# KiCad board meshtastic.kicad_pcb
date: 2026-05-14; note: JLCPCB Stackup: JLC04161H-7628
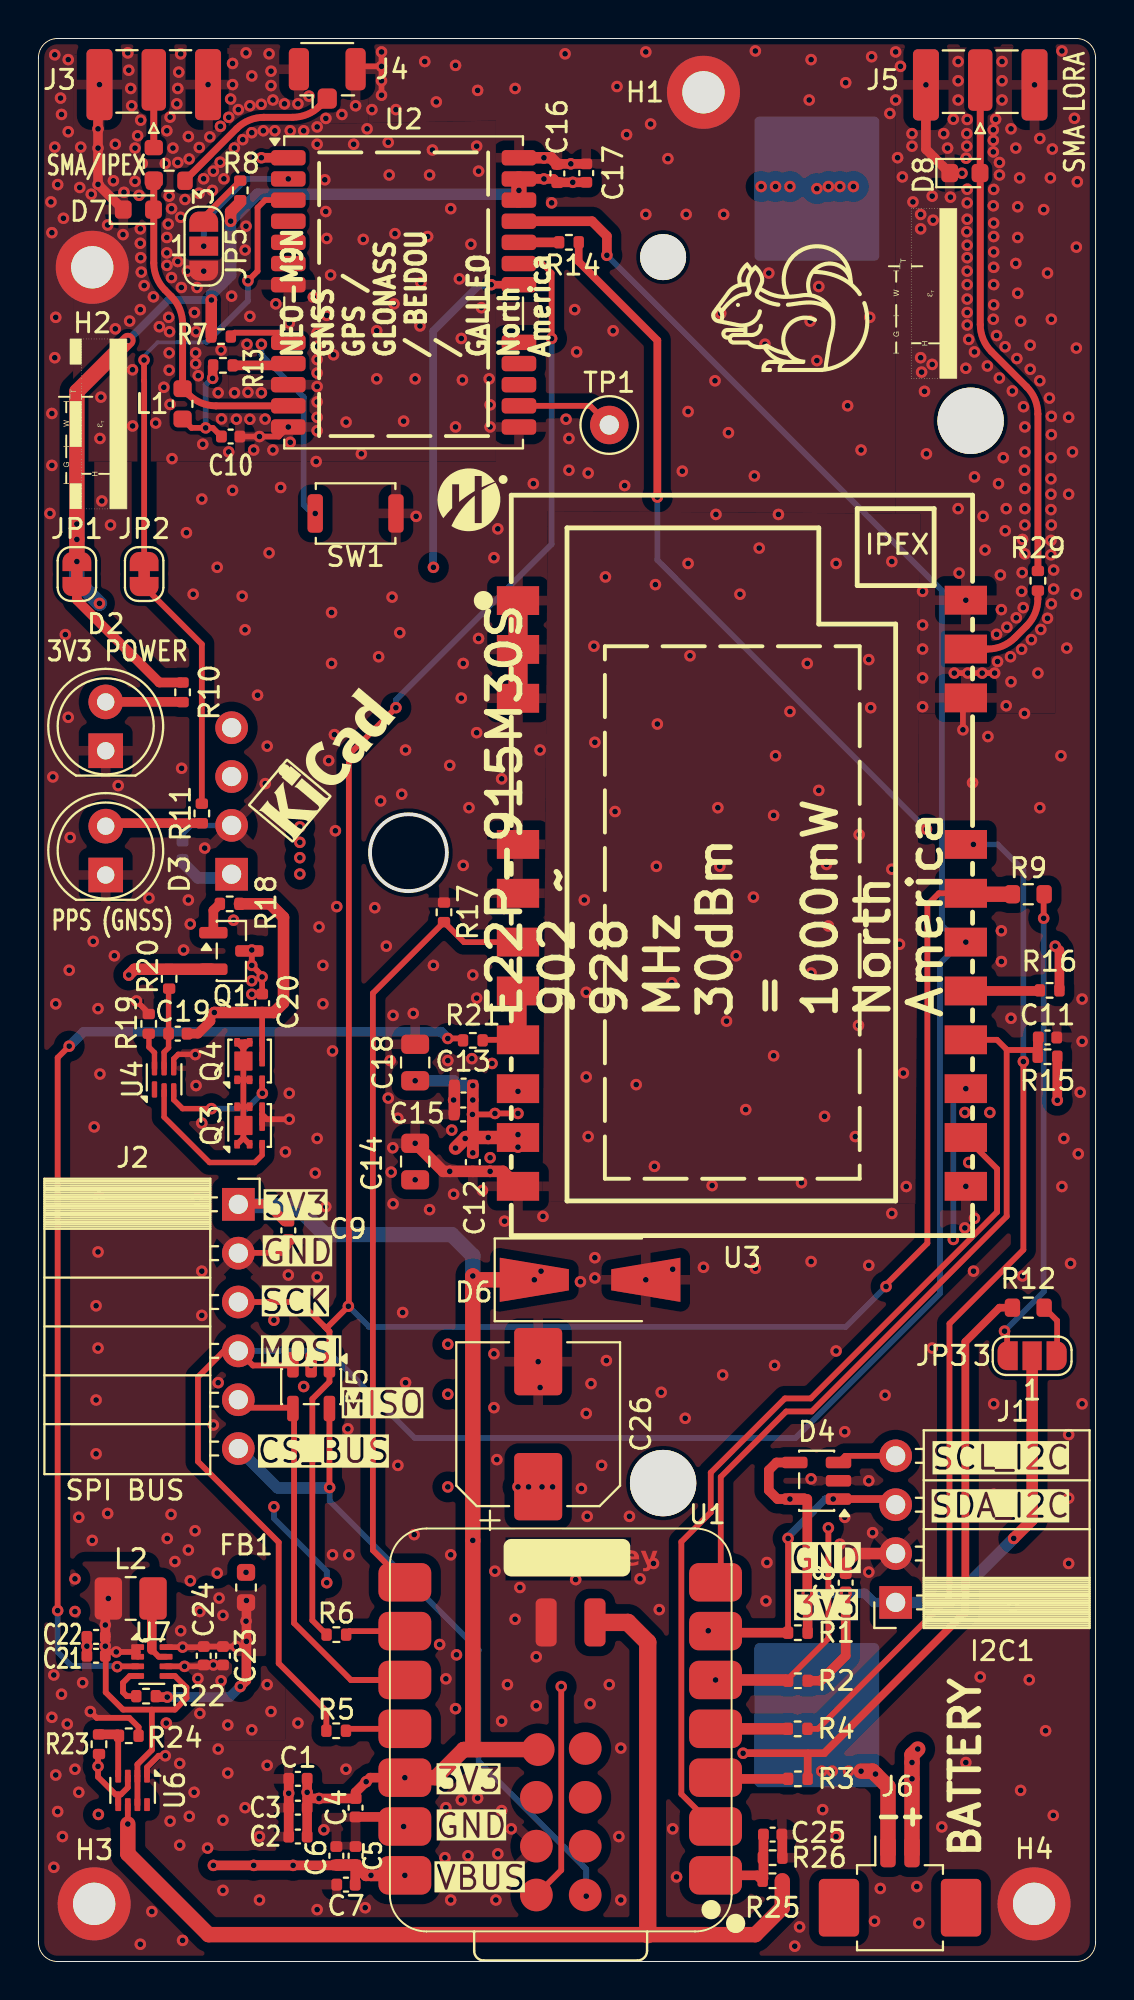
[diagram p0: board, top side]
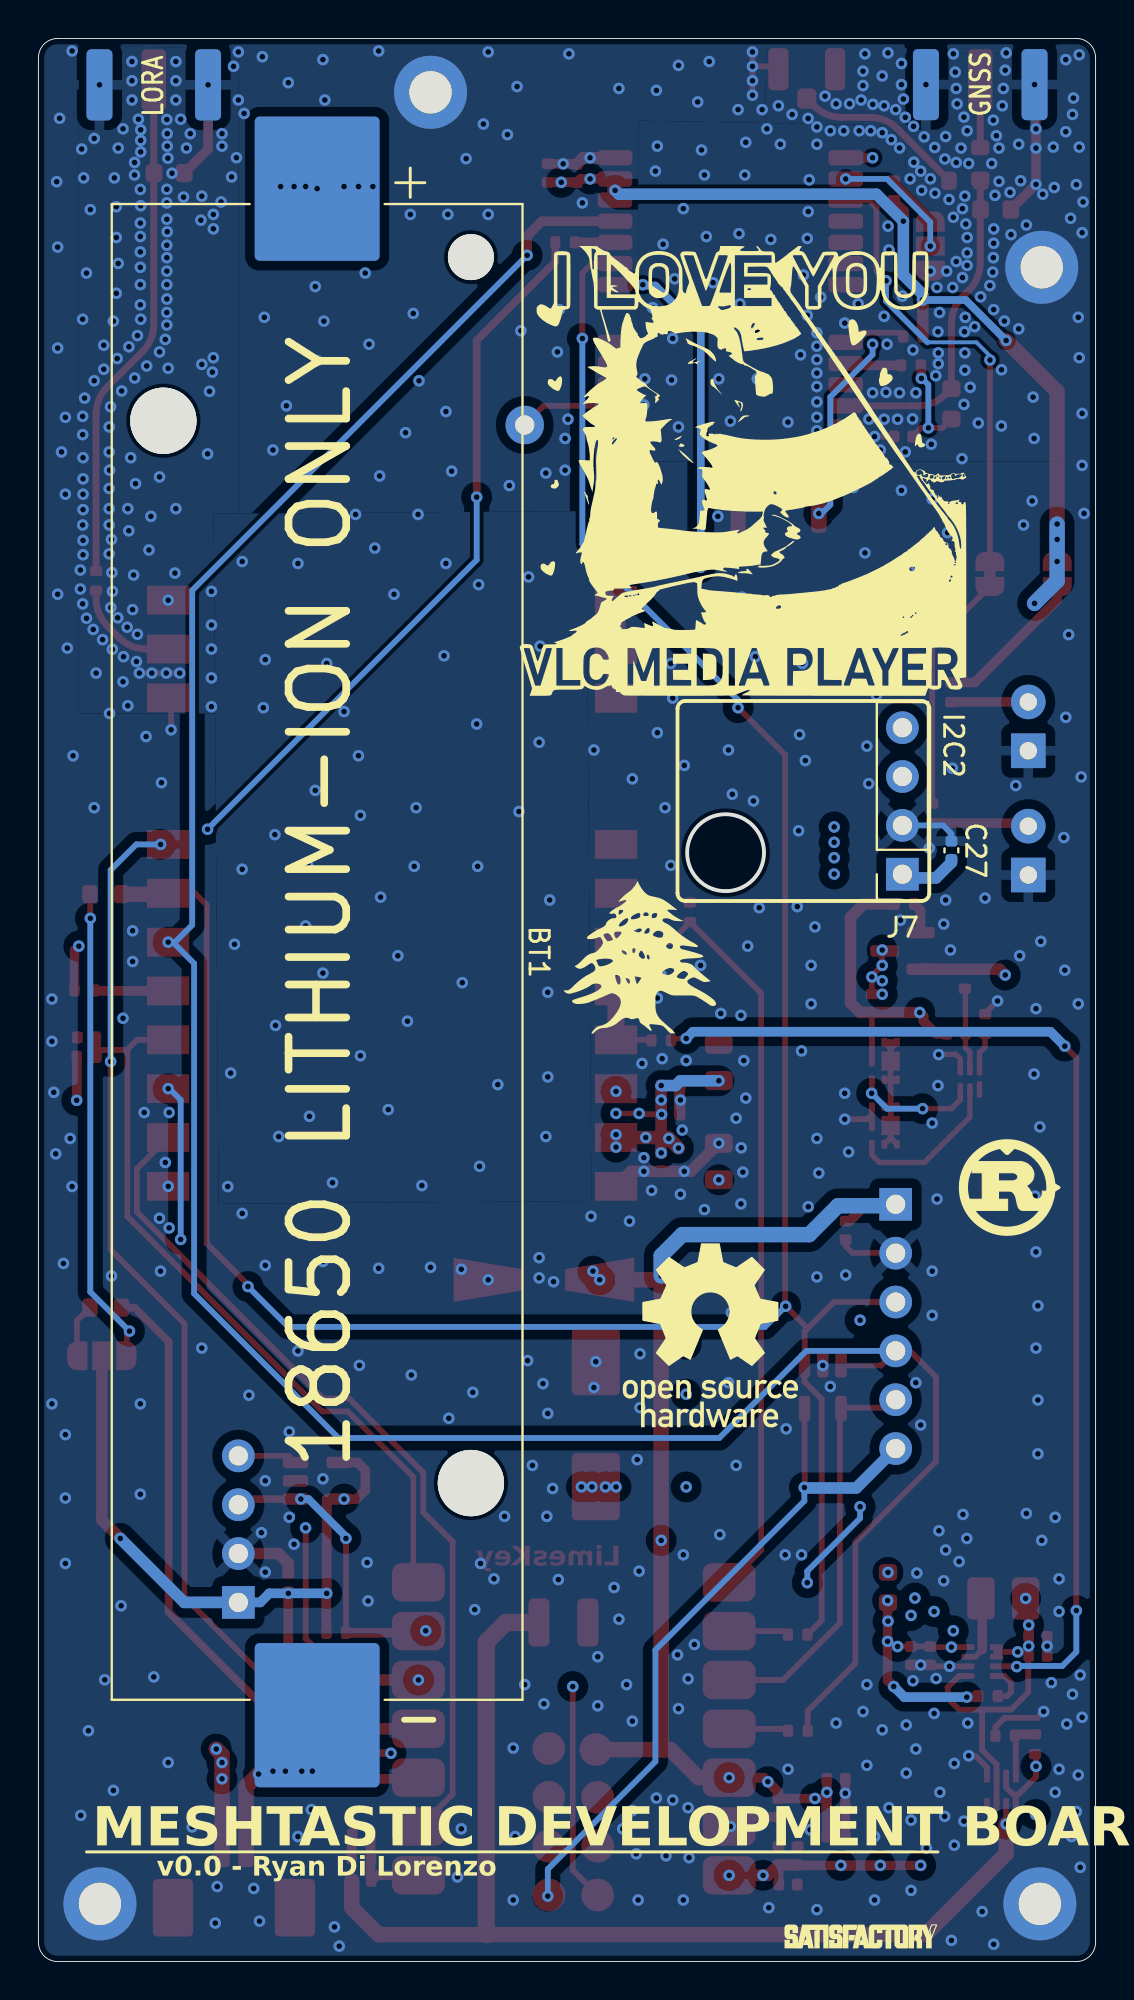
[diagram p1: board, bottom side, seen from below]

Outline 55 x 100 mm; copper layers: Top, In1.Cu (plane), In2.Cu (plane), Bottom. Coordinates in mm from the lower left corner of the outline.
Outline path: circle c19.25,57.66 r2 ; 0,99 arc(0.29,99.71) 1,100 54,100 arc(54.71,99.71) 55,99 55,1 arc(54.71,0.29) 54,0 1,0 arc(0.29,0.29) 0,1 0,99
Stack: Top 0.035mm / dielectric 0.2104mm FR4 er 4.4 / In1.Cu 0.0152mm / dielectric 1.065mm FR4 er 4.6 / In2.Cu 0.0152mm / dielectric 0.2104mm FR4 er 4.4 / Bottom 0.035mm

## Placement (name value [footprint] x y rotation side)
BT1  Battery_Cell  [BatteryHolder_Keystone_1042_1x18650]  40.5 52.5 270 bottom
C1  10uF  [C_0402_1005Metric]  13.5 9.5 180 top
C2  10uF  [C_0402_1005Metric]  13.5 6.5 180 top
C3  10uF  [C_0402_1005Metric]  13.5 8 180 top
C4  100nF  [C_0402_1005Metric]  16.5 8 90 top
C5  10uF  [C_0402_1005Metric]  16.5 5.5 90 top
C6  10uF  [C_0402_1005Metric]  15.5 5.5 90 top
C7  10uF  [C_0402_1005Metric]  16 4 180 top
C8  10uF  [C_0402_1005Metric]  42 19.7 90 top
C9  10uF  [C_0402_1005Metric]  13 38.02 270 top
C10  100nF 16V  [C_0402_1005Metric]  10 79.3 0 top
C11  100nF  [C_0402_1005Metric]  52.5 48.05 0 top
C12  100nF  [C_0402_1005Metric]  22.6 41.57 270 top
C13  10uF  [C_0402_1005Metric]  22.12 45.55 180 top
C14  47uF  [C_0805_2012Metric]  19.6 41.6 90 top
C15  10uF  [C_0402_1005Metric]  22.1 44.05 180 top
C16  10uF  [C_0402_1005Metric]  27 92.98 90 top
C17  10uF  [C_0402_1005Metric]  28.5 93 90 top
C18  47uF  [C_0805_2012Metric]  19.6 46.75 90 top
C19  100nF  [C_0402_1005Metric]  7.25 48.25 180 top
C20  10uF  [C_0402_1005Metric]  11.64 49.83 270 top
C21  100nF  [C_0402_1005Metric]  3 15.9 180 top
C22  10uF  [C_0402_1005Metric]  3 16.88 180 top
C23  10uF  [C_0402_1005Metric]  9.6 15.9 270 top
C24  10uF  [C_0402_1005Metric]  8.6 15.9 270 top
C25  100nF  [C_0402_1005Metric]  38.2 6.6 180 top
C26  680uF  [CP_Elec_8x10]  26 27.94 90 top
C27  10uF  [C_0402_1005Metric]  7.5 57.78 90 bottom
D2  LED Red  [LED_D5.0mm]  3.5 62.96 90 top
D3  LED Blue  [LED_D5.0mm]  3.5 56.5 90 top
D4  ESDS314DBVR-TP  [SOT-23-5]  40.49 25 180 top
D5  ESDS314DBVR-TP  [SOT-23-5]  14.19 29.89 270 top
D6  SMAJ5.0A  [D_SMA-SMB_Universal_Handsoldering]  28.7 35.45 0 top
D7  BESDU0603-14  [D_0603_1608Metric]  5.2 91.1 0 top
D8  BESDU0603  [D_0603_1608Metric]  48.2 93 0 top
FB1  FerriteBead  [L_0603_1608Metric]  10.8 19.45 270 top
H1  MountingHole_Pad  [MountingHole_2.2mm_M2_DIN965_Pad]  34.6 97.2 0 top
H2  MountingHole_Pad  [MountingHole_2.2mm_M2_DIN965_Pad]  2.8 88.1 0 top
H3  MountingHole_Pad  [MountingHole_2.2mm_M2_DIN965_Pad]  2.9 3 0 top
H4  MountingHole_Pad  [MountingHole_2.2mm_M2_DIN965_Pad]  51.8 3 0 top
J1  I2C1  [PinSocket_1x04_P2.54mm_Horizontal]  44.6 18.68 180 top
J2  SPI BUS  [PinSocket_1x06_P2.54mm_Horizontal]  10.4 39.38 0 top
J3  Conn_Coaxial  [SMA_Samtec_SMA-J-P-H-ST-EM1_EdgeMount]  6 97.85 90 top
J4  Conn_Coaxial_Small  [U.FL_Hirose_U.FL-R-SMT-1_Vertical]  15.03 98.4 90 top
J5  Conn_Coaxial  [SMA_Samtec_SMA-J-P-H-ST-EM1_EdgeMount]  49 97.84 90 top
J6  Conn_01x02  [Molex_PicoBlade_53261-0271_1x02-1MP_P1.25mm_Horizontal]  44.82 3.3 0 top
J7  I2C2  [PinSocket_1x04_P2.54mm_Vertical]  10.05 56.54 0 bottom
JP1  TIMEPULSE  [SolderJumper-2_P1.3mm_Bridged_RoundedPad1.0x1.5mm]  2 72.15 270 top
JP2  TIMEPULSE  [SolderJumper-2_P1.3mm_Bridged_RoundedPad1.0x1.5mm]  5.5 72.15 270 top
JP3  SolderJumper_3_Open  [SolderJumper-3_P1.3mm_Open_RoundedPad1.0x1.5mm_NumberLabels]  51.7 31.5 180 top
JP5  SolderJumper_3_Open  [SolderJumper-3_P1.3mm_Open_RoundedPad1.0x1.5mm_NumberLabels]  8.6 89.2 90 top
L1  22nH  [L_0603_1608Metric]  7.5 81 270 top
L2  470nH  [L_1008_2520Metric_Pad1.43x2.20mm_HandSolder]  4.8 18.88 0 top
Q1  AO3401A  [SOT-23]  10.04 52.55 0 top
Q3  CSD16301Q2  [Texas_DQK]  10.99 43.47 90 top
Q4  CSD16301Q2  [Texas_DQK]  10.99 46.83 90 top
R1  4.7k  [R_0402_1005Metric]  39.51 17.1 180 top
R2  4.7k  [R_0402_1005Metric]  39.51 14.6 180 top
R3  22  [R_0402_1005Metric]  39.51 9.5 180 top
R4  22  [R_0402_1005Metric]  39.5 12.1 180 top
R5  22  [R_0402_1005Metric]  15.49 12 180 top
R6  22  [R_0402_1005Metric]  15.5 17 180 top
R7  10k  [R_0402_1005Metric]  9.5 84.5 0 top
R8  10k  [R_0402_1005Metric]  10.5 92.1 90 top
R9  2.2k  [R_0603_1608Metric]  51.5 55.5 180 top
R10  2k  [R_0402_1005Metric]  7.5 66 270 top
R11  2k  [R_0402_1005Metric]  8.5 59.7 270 top
R12  2.2k  [R_0603_1608Metric]  51.5 34 180 top
R13  10  [R_0402_1005Metric]  9.6 83 0 top
R14  22  [R_0402_1005Metric]  27.6 89.4 180 top
R15  10k  [R_0402_1005Metric]  52.5 47.05 180 top
R16  22  [R_0402_1005Metric]  52.61 50.5 180 top
R17  10k  [R_0402_1005Metric]  21.1 54.56 90 top
R18  10k  [R_0402_1005Metric]  9.95 55 0 top
R19  2.2k  [R_0402_1005Metric]  5.74 48.76 90 top
R20  330  [R_0402_1005Metric]  6.8 51.1 270 top
R21  100  [R_0402_1005Metric]  22.6 47.9 180 top
R22  1k  [R_0402_1005Metric]  5.6 13.8 0 top
R23  2M  [R_0402_1005Metric]  3.15 11.3 90 top
R24  680k  [R_0402_1005Metric]  4.7 11.74 180 top
R25  100k  [R_0402_1005Metric]  38.19 4.2 180 top
R26  100k  [R_0402_1005Metric]  38.2 5.4 180 top
R27  0  [R_0603_1608Metric]  6.8 92.6 180 top  (not fitted)
R28  0  [R_0603_1608Metric]  6 93.5 270 top
R29  0  [R_0402_1005Metric]  52 71.8 270 top
SW1  SW_Push  [SW_Push_SPST_NO_Alps_SKRK]  16.5 75.3 180 top
TP1  TestPoint_Probe  [TestPoint_Loop_D1.80mm_Drill1.0mm_Beaded]  29.7 79.9 0 top
U1  -  [XIAO-ESP32-C6-SMD]  36.06 22.6 180 top
U2  NEO-M9N  [ublox_NEO]  19 86.8 0 top
U3  E22P-915M30S  [COMM-SMD_22P-P2.54-L38.5-W24.0_E22-400M33S]  36.6 55.55 180 top
U4  BQ297xy  [WSON-6_1.5x1.5mm_P0.5mm]  6.54 45.88 90 top
U6  TPS2116DRL  [SOT-583-8]  4.9 8.9 270 top
U7  TPS61033DRLR  [SOT-583-8]  5.9 15.6 0 top

## Library data of the parts
BT1 = -: Description: Single-cell battery; KiLib_Generator: battery; Sim.Device: V; Sim.Type: DC; Sim.Pins: 1=+ 2=-
C1-C25 C27 = -: Description: Unpolarized capacitor, small symbol; KiLib_Generator: SMD_2terminal_chip_molded; ki_fp_filters: C_*
C26 = -: Description: Polarized capacitor; KiLib_Generator: capacitor/SMD/elec_round_polarized; LCSC Part: C54321569; Voltage Rating: 10 v; ki_fp_filters: CP_*
D2 D3 = -: Description: Light emitting diode; KiLib_Generator: LED/THT; Sim.Pins: 1=K 2=A; ki_fp_filters: LED* LED_SMD:* LED_THT:*
D4 D5 = -: Datasheet: https://www.lcsc.com/datasheet/C5310975.pdf; KiLib_Generator: package/gullwing; Manufacturer: TECH PUBLIC(台舟); LCSC Part: C5310975
D6 = -: Datasheet: https://www.littelfuse.com/media?resourcetype=datasheets&itemid=75e32973-b177-4ee3-a0ff-cedaf1abdb93&filename=smaj-datasheet; Description: 400W unidirectional Transient Voltage Suppressor, 5.0Vr, SMA(DO-214AC); ki_fp_filters: D*SMA*
D7 D8 = -: Description: Bidirectional transient-voltage-suppression diode; KiLib_Generator: SMD_2terminal_chip_molded; LCSC Part: C316058; ki_fp_filters: TO-???* *_Diode_* *SingleDiode* D_*
FB1 = -: Description: Ferrite bead; KiLib_Generator: SMD_2terminal_chip_molded; LCSC Part: C14709; ki_fp_filters: Inductor_* L_* *Ferrite*
H1-H4 = -: Description: Mounting Hole with connection; KiLib_Generator: mounting_hardware/mounting_hole; ki_fp_filters: MountingHole*Pad*
J1 = -: Description: Generic connector, single row, 01x04, script generated; KiLib_Generator: connector/pin_header_socket; ki_fp_filters: Connector*:*_1x??_*
J2 = -: Description: Generic connector, single row, 01x06, script generated; KiLib_Generator: connector/pin_header_socket; ki_fp_filters: Connector*:*_1x??_*
J3 = -: Description: coaxial connector (BNC, SMA, SMB, SMC, Cinch/RCA, LEMO, ...); ki_fp_filters: *BNC* *SMA* *SMB* *SMC* *Cinch* *LEMO* *UMRF* *MCX* *U.FL*
J4 = -: Description: small coaxial connector (BNC, SMA, SMB, SMC, Cinch/RCA, LEMO, ...); ki_fp_filters: *BNC* *SMA* *SMB* *SMC* *Cinch* *LEMO* *UMRF* *MCX* *U.FL*
J5 = -: Description: coaxial connector (BNC, SMA, SMB, SMC, Cinch/RCA, LEMO, ...); LCSC Part: C5250058; ki_fp_filters: *BNC* *SMA* *SMB* *SMC* *Cinch* *LEMO* *UMRF* *MCX* *U.FL*
J6 = -: Description: Generic connectable mounting pin connector, single row, 01x02, script generated (kicad-library-utils/schlib/autogen/connector/); KiLib_Generator: connector/SMD_single_row_plus_mounting_pad; LCSC: C2905009; ki_fp_filters: Connector*:*_1x??-1MP*
J7 = -: Description: Generic connector, single row, 01x04, script generated (kicad-library-utils/schlib/autogen/connector/); KiLib_Generator: connector/pin_header_socket; ki_fp_filters: Connector*:*_1x??_*
JP1 JP2 = -: Description: Solder Jumper, 2-pole, closed/bridged; ki_fp_filters: SolderJumper*Bridged*
JP3 JP5 = -: Description: Solder Jumper, 3-pole, open; ki_fp_filters: SolderJumper*Open*
L1 = -: Description: SRF > 2GHZ; KiLib_Generator: SMD_2terminal_chip_molded; LCSC Part: C6364694; ki_fp_filters: Choke_* *Coil* Inductor_* L_*
L2 = -: Description: Inductor; KiLib_Generator: SMD_2terminal_chip_molded; LCSC Part: C41347768; ki_fp_filters: Choke_* *Coil* Inductor_* L_*
Q1 = -: Datasheet: http://www.aosmd.com/pdfs/datasheet/AO3401A.pdf; Description: -4.0A Id, -30V Vds, P-Channel MOSFET, SOT-23; KiLib_Generator: package/gullwing; ki_fp_filters: SOT?23*
Q3 Q4 = -: Datasheet: http://www.ti.com/lit/ds/symlink/csd16301q2.pdf; Description: 5A Id, 25V Vds, NexFET N-Channel Power MOSFET, 19mOhm Ron, SON-6; ki_fp_filters: Texas*DQK*
R1-R7 R10 R11 R14-R18 R20-R29 = -: Description: Resistor, small symbol; KiLib_Generator: SMD_2terminal_chip_molded; ki_fp_filters: R_*
R8 R9 R12 R13 R19 = -: Description: Resistor; KiLib_Generator: SMD_2terminal_chip_molded; ki_fp_filters: R_*
SW1 = -: Description: Push button switch, generic, two pins
TP1 = -: Description: test point (alternative probe-style design); ki_fp_filters: Pin* Test*
U2 = -: Datasheet: https://content.u-blox.com/sites/default/files/NEO-M9N_Integrationmanual_UBX-19014286.pdf; Description: GNSS Module NEO M8, VCC 2.7V to 3.6V; ki_fp_filters: ublox*NEO*
U3 = -: Datasheet: https://www.cdebyte.com/pdf-down.aspx?id=4333; LCSC Part: C51912672; Manufacturer: EBYTE(亿佰特)
U4 = -: Datasheet: http://www.ti.com/lit/ds/symlink/bq2970.pdf; Description: Voltage and Current Protection for Single-Cell Li-Ion and Li-Polymer Batteries; ki_fp_filters: WSON*1.5x1.5mm*P0.5mm*
U6 = -: Datasheet: https://www.ti.com/lit/ds/symlink/tps2116.pdf; Description: 2 Channnels Power Mux with Manual and Priority Switchover, 1.6-5.5V Input Voltage, 2.5A Output Current, Ron 40 mOhm, SOT-583-8; ki_fp_filters: SOT?5?3*
U7 = -: Datasheet: https://www.lcsc.com/datasheet/C18164413.pdf; Manufacturer: TI(德州仪器); LCSC Part: C18164413

## Footprints (pads in the part's own frame, mm; a bottom-side part is the same pattern mirrored in y, then rotated)
BatteryHolder_Keystone_1042_1x18650
  round 2.39 hole 2.39 unplated: (-36.13,8)
  round 3.45 hole 3.45 unplated: (-27.62,-8) (27.62,8)
  rrect 7.5x6.5 smd: 1(-39.69,0) 2(39.69,0)
C_0402_1005Metric
  rrect 0.56x0.62 smd: 1(-0.48,0) 2(0.48,0)
C_0805_2012Metric
  rrect 1x1.45 smd: 1(-0.95,0) 2(0.95,0)
COMM-SMD_22P-P2.54-L38.5-W24.0_E22-400M33S
  rect 2.2x1.5 smd: 1(11.65,-15.22) 2(11.65,-12.68) 3(11.65,-10.14) 4(11.65,-2.54) 5(11.65,0) 6(11.65,2.54) 7(11.65,5.08) 8(11.65,7.62) 9(11.65,10.16) 10(11.65,12.7) 11(11.65,15.24) 12(-11.65,15.24) 13(-11.65,12.7) 14(-11.65,10.16) 15(-11.65,7.62) 16(-11.65,5.08) 17(-11.65,2.54) 18(-11.65,0) 19(-11.65,-2.54) 20(-11.65,-10.16) 21(-11.65,-12.7) 22(-11.65,-15.24)
CP_Elec_8x10
  rrect 3.5x2.5 smd: 1(-3.25,0) 2(3.25,0)
D_0603_1608Metric
  rrect 0.875x0.95 smd: 1(-0.787,0) 2(0.787,0)
D_SMA-SMB_Universal_Handsoldering
  trapezoid 3.6x1.7 smd: 1(-2.9,0) 2(2.9,0)
L_0603_1608Metric
  rrect 0.875x0.95 smd: 1(-0.787,0) 2(0.787,0)
L_1008_2520Metric_Pad1.43x2.20mm_HandSolder
  rrect 1.425x2.2 smd: 1(-1.163,0) 2(1.163,0)
LED_D5.0mm
  rect 1.8x1.8 hole 0.9: 1(0,0)
  round 1.8 hole 0.9: 2(2.54,0)
Molex_PicoBlade_53261-0271_1x02-1MP_P1.25mm_Horizontal
  rrect 0.8x1.6 smd: 1(-0.625,2.4) 2(0.625,2.4)
  rrect 2.1x3 smd: MP(-3.175,-0.5) MP(3.175,-0.5)
MountingHole_2.2mm_M2_DIN965_Pad
  round 3.8 hole 2.2: 1(0,0)
PinSocket_1x04_P2.54mm_Horizontal
  rect 1.7x1.7 hole 1: 1(0,0)
  round 1.7 hole 1: 2(0,-2.54) 3(0,-5.08) 4(0,-7.62)
PinSocket_1x04_P2.54mm_Vertical
  rect 1.7x1.7 hole 1: 1(0,0)
  round 1.7 hole 1: 2(0,-2.54) 3(0,-5.08) 4(0,-7.62)
PinSocket_1x06_P2.54mm_Horizontal
  rect 1.7x1.7 hole 1: 1(0,0)
  round 1.7 hole 1: 2(0,-2.54) 3(0,-5.08) 4(0,-7.62) 5(0,-10.16) 6(0,-12.7)
R_0402_1005Metric
  rrect 0.54x0.64 smd: 1(-0.51,0) 2(0.51,0)
R_0603_1608Metric
  rrect 0.8x0.95 smd: 1(-0.825,0) 2(0.825,0)
SMA_Samtec_SMA-J-P-H-ST-EM1_EdgeMount
  rrect 3.2x1.27 smd: 1(0,0)
  rrect 3.7x1.35 smd: 2(-0.25,2.825) 2(-0.25,-2.825)
  rrect 3.7x1.35 smd far side: 2(-0.25,2.825) 2(-0.25,-2.825)
SolderJumper-2_P1.3mm_Bridged_RoundedPad1.0x1.5mm
  custom 1x1.5 smd: 1(-0.65,0) 2(0.65,0)
SolderJumper-3_P1.3mm_Open_RoundedPad1.0x1.5mm_NumberLabels
  custom 1.05x1.5 smd: 1(-1.3,0) 3(1.3,0)
  rect 1x1.5 smd: 2(0,0)
SOT-23
  rrect 1.475x0.6 smd: 1(-0.938,0.95) 2(-0.938,-0.95) 3(0.938,0)
SOT-23-5
  rrect 1.325x0.6 smd: 1(-1.137,0.95) 2(-1.137,0) 3(-1.137,-0.95) 4(1.137,-0.95) 5(1.137,0.95)
SOT-583-8
  rrect 0.67x0.3 smd: 1(-0.74,0.75) 2(-0.74,0.25) 3(-0.74,-0.25) 4(-0.74,-0.75) 5(0.74,-0.75) 6(0.74,-0.25) 7(0.74,0.25) 8(0.74,0.75)
SW_Push_SPST_NO_Alps_SKRK
  rrect 0.8x2 smd: 1(-2.1,0) 2(2.1,0)
TestPoint_Loop_D1.80mm_Drill1.0mm_Beaded
  round 2 hole 1: 1(0,0)
Texas_DQK
  rrect 0.9x0.86 smd: (0,0.325)
  rrect 0.7x0.29 smd: (0.095,-0.65)
  rrect 0.45x0.3 smd: 1(-0.975,0.65) 2(-0.975,0) 3(-0.975,-0.65) 4(0.975,-0.65) 5(0.975,0) 6(0.975,0.65)
  rrect 0.75x0.3 smd: 7(0.095,-0.65)
  rrect 1x0.95 smd: 8(0,0.325)
U.FL_Hirose_U.FL-R-SMT-1_Vertical
  rrect 1.05x1 smd: 1(-1.525,0)
  rrect 2.2x1.05 smd: 2(0,1.475) 2(0,-1.475)
ublox_NEO
  rrect 1.8x0.8 smd: 1(-6,7) 2(-6,5.9) 3(-6,4.8) 4(-6,3.7) 5(-6,2.6) 6(-6,1.5) 7(-6,0.4) 8(-6,-2.6) 9(-6,-3.7) 10(-6,-4.8) 11(-6,-5.9) 12(-6,-7) 13(6,-7) 14(6,-5.9) 15(6,-4.8) 16(6,-3.7) 17(6,-2.6) 18(6,0.4) 19(6,1.5) 20(6,2.6) 21(6,3.7) 22(6,4.8) 23(6,5.9) 24(6,7)
WSON-6_1.5x1.5mm_P0.5mm
  rrect 0.85x0.28 smd: 1(-0.525,0.5)
  rrect 0.75x0.28 smd: 2(-0.575,0) 3(-0.575,-0.5) 4(0.575,-0.5) 5(0.575,0) 6(0.575,0.5)
XIAO-ESP32-C6-SMD
  rrect 2.75x2 smd: 1(0.835,18.12) 2(0.835,15.58) 3(0.835,13.04) 4(0.835,10.5) 5(0.835,7.96) 6(0.835,5.42) 7(0.835,2.88) 8(17,2.88) 9(17,5.42) 10(17,7.96) 11(17,10.5) 12(17,13.04) 13(17,15.58) 14(17,18.12)
  round 1.7 smd: 15(7.617,19.142) 16(10.157,19.142) 17(7.617,16.602) 18(10.157,16.602) 19(7.617,14.062) 20(10.157,14.062) 21(7.617,11.521) 22(10.064,11.578)
  rrect 1.1x2.5 smd: 23(7.109,4.968) 24(9.649,4.968)

## Nets
+3V3: C1.1 C2.1 C3.1 C4.2 C8.1 C9.1 C16.1 C17.1 C27.1 D4.4 D4.5 D6.1 J1.1 J2.1 J7.1 JP1.1 JP3.2 R1.1 R2.1 R7.1 R8.1 R15.1 U1.12 U1.22 U2.22 U2.23
+5V: C12.1 C13.1 C14.1 C15.1 C18.1 C26.1 FB1.1 U3.9 U3.10
/GNSS/VCC_RF: R13.2 U2.9
GND: C1.2 C2.2 C3.2 C4.1 C5.2 C6.2 C7.2 C8.2 C9.2 C10.2 C11.2 C12.2 C13.2 C14.2 C15.2 C16.2 C17.2 C18.2 C21.2 C22.2 C23.2 C24.2 C25.1 C26.2 C27.2 D2.1 D3.1 D4.2 D5.2 D6.2 D7.1 D8.1 H1.1 H2.1 H3.1 H4.1 J1.2 J2.2 J3.2 J4.2 J5.2 J7.2 JP5.1 Q3.4 Q3.7 R17.2 R19.2 R24.1 R26.1 SW1.1 U1.13 U1.18 U1.24 U2.7 U2.10 U2.12 U2.13 U2.24 U3.1 U3.2 U3.3 U3.4 U3.5 U3.11 U3.12 U3.20 U3.22 U4.4 U6.1 U7.6
VBUS: C5.1 C6.1 C7.1 R23.1 U1.14 U6.3 U6.5
+BATT: Q1.2 R20.1 R25.1 U1.23 U6.6
-BATT: BT1.2 C19.1 C20.2 J6.1 Q4.4 Q4.7 R18.2
/BUSY_LORA: U1.16 U3.14
/CS_BUS: D5.5 J2.6 U1.15
/CS_GPS: R3.1 R12.2 U2.18
/CS_LORA: R4.1 U3.19
/DIO1_LORA: U1.2 U3.13
/EN_LORA: R17.1 U1.8 U3.6
/GNSS/AFT_GPS_ANT: J3.1 R28.1
/GNSS/D_SEL: JP5.2 U2.2
/GNSS/PPS: JP2.1 U2.3
/GNSS/RESET: R7.2 U2.8
/LORA/LORA_ANT: D8.2 J5.1 R29.1
/LORA/PRE_LORA_ANT: R29.2 U3.21
/MISO: D5.4 J2.5 R14.1 R16.1 U1.10
/MOSI: D5.3 J2.4 R5.2 U2.21 U3.17
/NRST_LORA: C11.1 R15.2 U1.7 U3.15
/SCK: D5.1 J2.3 R6.2 R9.2 U2.19 U3.18
/SCL_I2C: D4.1 J1.3 J7.3 R1.2 U1.6
/SDA_I2C: D4.3 J1.4 J7.4 R2.2 U1.5
/TR_CTRL: R21.2 U7.3
GPS_ANT: D7.2 L1.1 R27.2 R28.2 U2.11
Net-(BT1-+): BT1.1 C20.1 J6.2 Q1.3
Net-(C10-Pad1): C10.1 L1.2 R13.1
Net-(D2-A): D2.2 R10.2
Net-(D3-A): D3.2 R11.2
Net-(J4-In): J4.1 R27.1
Net-(JP1-B): JP1.2 R10.1
Net-(JP2-B): JP2.2 R11.1
Net-(JP3-A): JP3.1 R12.1
Net-(JP3-B): JP3.3 R9.1
Net-(JP5-B): JP5.3 R8.2
Net-(Q1-G): Q1.1 R18.1
Net-(Q3-D-Pad1): Q3.1 Q3.2 Q3.5 Q3.6 Q3.8 Q4.1 Q4.2 Q4.5 Q4.6 Q4.8
Net-(Q3-G): Q3.3 U4.2
Net-(Q4-G): Q4.3 U4.3
Net-(U1-GPIO0_A0_D0): C25.2 R25.2 R26.2 U1.1
Net-(U1-GPIO2_A2_D2): R3.2 U1.3
Net-(U1-GPIO18_D10_MOSI): R5.1 U1.11
Net-(U1-GPIO19_D8_SCK): R6.1 U1.9
Net-(U1-GPIO21_D3): R4.2 U1.4
Net-(U2-LNA_EN): TP1.1 U2.14
Net-(U2-TXD/SPI_MISO): R14.2 U2.20
Net-(U2-~{SAFEBOOT}): SW1.2 U2.1
Net-(U3-DIO2): R21.1 U3.7 U3.8
Net-(U3-MISO): R16.2 U3.16
Net-(U4-BAT): C19.2 R20.2 U4.5
Net-(U4-V-): R19.1 U4.6
Net-(U6-PR1): R23.2 R24.2 U6.4
Net-(U7-EN): C21.1 C22.1 L2.1 U6.2 U6.7 U7.1 U7.2 U7.5
Net-(U7-PG): R22.1 U7.4
Net-(U7-SW): L2.2 U7.7
Net-(U7-VOUT): C23.1 C24.1 FB1.2 R22.2 U7.8

Pads without a net: J6 MP; U1 17 19 20 21; U2 4 5 6 15 16 17; U4 1; U6 8

## Via types
v1: diameter 0.6, hole 0.3, Top to Bottom, 886 vias
